# KiCad board ayab-esp32.kicad_pcb
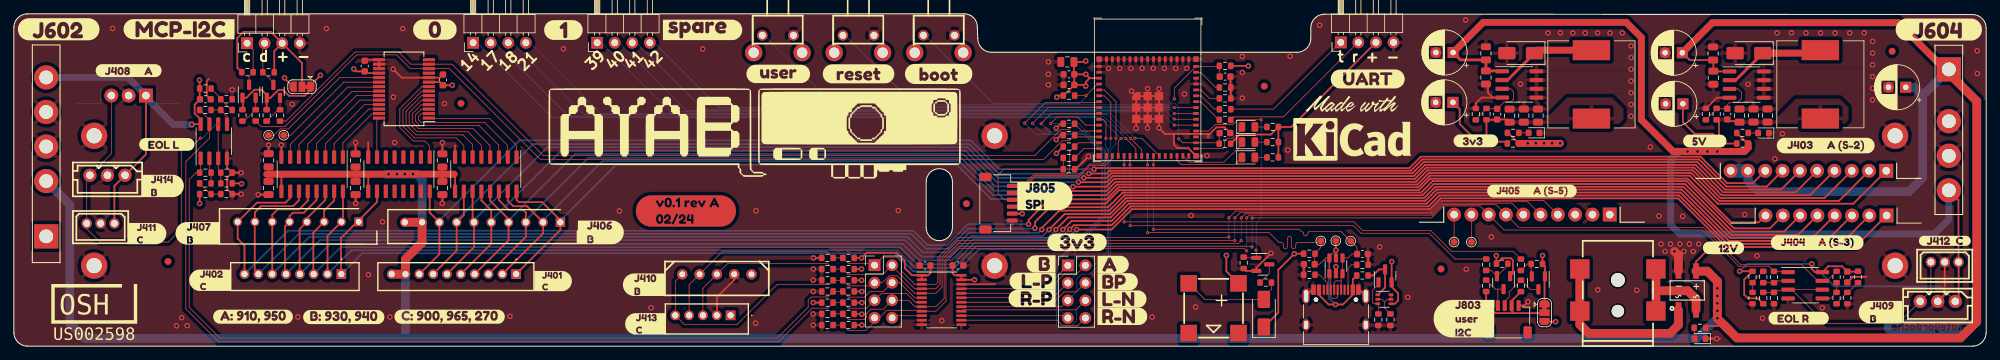
[diagram p0: board, top side]
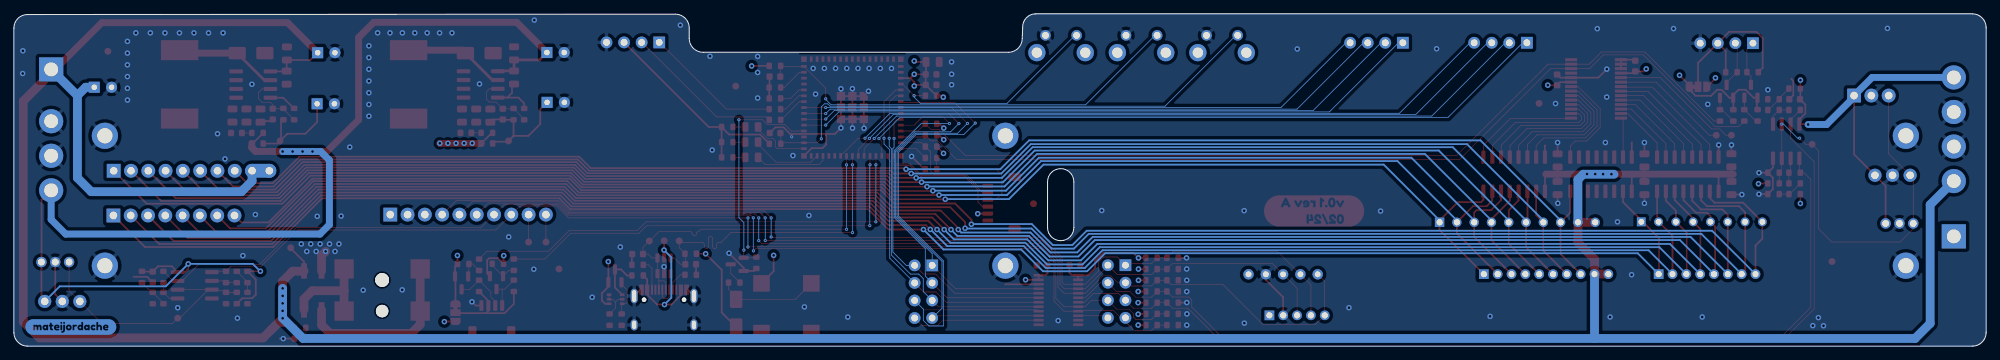
[diagram p1: board, bottom side, seen from below]

Outline 285.12 x 48.1 mm; copper layers: Top, In1.Cu, In2.Cu, Bottom. Coordinates in mm from the lower left corner of the outline.
Outline path: 0,46.1 0,2 arc(0.59,0.59) 2,0 283.13,0 arc(284.54,0.58) 285.12,2 285.12,46.03 arc(284.54,47.42) 283.15,48 189.49,48.05 arc(188.07,47.47) 187.49,46.05 187.49,44.53 arc(186.9,43.12) 185.49,42.53 141.35,42.53 arc(139.93,43.12) 139.35,44.53 139.28,46.15 arc(138.74,47.54) 137.37,48.1 2,48.1 arc(0.59,47.52) 0,46.1 ; 131.89,23.79 131.89,17.17 arc(133.79,15.27) 135.69,17.17 135.69,23.79 arc(133.79,25.69) 131.89,23.79
Stack: Top 0.035mm / dielectric 0.2104mm 7628*1 er 4.6 / In1.Cu 0.0152mm / dielectric 1.065mm FR4 er 4.5 / In2.Cu 0.0152mm / dielectric 0.2104mm 7628*1 er 4.6 / Bottom 0.035mm

## Placement (name value [footprint] x y rotation side)
BUZZER201  MLT-8530  [BUZ-SMD_4P-L8.5-W8.5-P8.50-BR]  173.44 5.49 180 top
C201  100n  [C_0603_1608Metric]  175.08 30.84 0 top
C202  100n  [C_0603_1608Metric]  175.1 39.01 0 top
C203  100n  [C_0603_1608Metric]  152.53 37.81 180 top
C204  100n  [C_0603_1608Metric]  152.53 39.34 180 top
C205  10u  [C_0805_2012Metric]  152.3 41.14 180 top
C301  100n  [C_0603_1608Metric]  50.73 40.54 90 top
C302  10u  [C_0805_2012Metric]  49.4 22.89 270 top
C303  10u  [C_0805_2012Metric]  61.95 22.89 270 top
C304  10u  [C_0805_2012Metric]  36.83 22.89 270 top
C305  100n  [C_0603_1608Metric]  62.03 38.54 90 top
C501  47p  [C_0603_1608Metric]  187.28 11.85 180 top
C502  47p  [C_0603_1608Metric]  194.95 13.33 0 top
C601  10u  [C_0805_2012Metric]  245.65 42.36 90 top
C602  10u  [C_0805_2012Metric]  212.81 42.38 90 top
C603  10u  [C_0805_2012Metric]  36.83 26.9 90 top
C604  10u  [C_0805_2012Metric]  49.4 26.89 90 top
C605  10u  [C_0805_2012Metric]  61.95 26.89 90 top
C606  220u  [CP_Radial_D6.3mm_P2.50mm]  241.2 42.47 180 top
C607  220u  [CP_Radial_D6.3mm_P2.50mm]  273.5 37.47 180 top
C609  220u  [CP_Radial_D6.3mm_P2.50mm]  208.07 42.5 180 top
C610  10u  [C_0805_2012Metric]  245.68 38.86 270 top
C611  10u  [C_0805_2012Metric]  212.81 38.89 270 top
C612  220u  [CP_Radial_D6.3mm_P2.50mm]  241.28 35.08 180 top
C613  220u  [CP_Radial_D6.3mm_P2.50mm]  208.04 35.28 180 top
C614  3n3  [C_0603_1608Metric]  247.7 33.59 270 top
C615  3n3  [C_0603_1608Metric]  214.44 33.58 270 top
C616  10u  [C_0805_2012Metric]  253.52 33.38 90 top
C617  10u  [C_0805_2012Metric]  220.34 33.37 90 top
C618  10u  [C_0805_2012Metric]  251.5 33.38 90 top
C619  10u  [C_0805_2012Metric]  218.29 33.37 90 top
C620  10u  [C_0805_2012Metric]  249.47 33.37 90 top
C621  10u  [C_0805_2012Metric]  216.24 33.36 90 top
C701  100n  [C_0603_1608Metric]  136.48 11.68 0 top
C702  100n  [C_0603_1608Metric]  131.74 11.67 180 top
C703  100n  [C_0603_1608Metric]  27.69 35.74 180 top
C704  100n  [C_0603_1608Metric]  265.05 10.01 90 top
D201  LED_YEL  [D_0805_2012Metric]  178.47 31.72 0 top
D202  LED_GRN  [D_0805_2012Metric]  178.47 29.53 0 top
D203  LED_RED  [D_0805_2012Metric]  178.47 27.32 0 top
D204  SS54  [D_SMA]  180.71 4.78 90 top
D601  KMB14F  [MBF-SMD_L4.8-W3.8-P2.54-LS6.8-TL]  241.91 8.06 90 top
D602  12VOK  [D_0603_1608Metric]  243.76 1.09 180 top
D603  5VOK  [D_0603_1608Metric]  252.94 30.85 180 top
D604  3V3OK  [D_0603_1608Metric]  219.77 30.87 180 top
D605  SS54  [D_SMA]  250.83 42.41 180 top
D606  SS54  [D_SMA]  217.84 42.41 180 top
FID101  Fiducial  [Fiducial_1mm_Mask2mm]  22.29 12.25 0 top
FID102  Fiducial  [Fiducial_1mm_Mask2mm]  180.77 37.63 0 top
FID103  Fiducial  [Fiducial_1mm_Mask2mm]  271.53 42.67 0 top
FID104  Fiducial  [Fiducial_1mm_Mask2mm]  64.64 35.13 0 top
FID105  Fiducial  [Fiducial_1mm_Mask2mm]  137.72 20.62 0 top
FID106  Fiducial  [Fiducial_1mm_Mask2mm]  206.32 11.17 0 top
G***  LOGO  [ayab-oshw]  11.63 5.29 0 top
G***#2  -  [LOGO]  107.1 30.92 0 top
H101  M3  [MountingHole_2.2mm_M2_DIN965_Pad]  11.61 11.66 0 top
H102  M3  [MountingHole_2.2mm_M2_DIN965_Pad]  141.78 30.45 0 top
H103  M3  [MountingHole_2.2mm_M2_DIN965_Pad]  141.78 11.66 0 top
H104  M3  [MountingHole_2.2mm_M2_DIN965_Pad]  271.96 30.45 0 top
H106  M3  [MountingHole_2.2mm_M2_DIN965_Pad]  271.96 11.66 0 top
H108  M3  [MountingHole_2.2mm_M2_DIN965_Pad]  11.61 30.45 0 top
J201  SPARE1  [PinHeader_1x04_P2.54mm_Horizontal]  84.33 43.91 90 top
J202  SPARE0  [PinHeader_1x04_P2.54mm_Horizontal]  66.4 43.91 90 top
J401  900.965.CK35 SOLENOIDS A  [530141010]  72.62 10.43 0 top
J402  900.965.CK35 SOLENOIDS B  [530140810]  47.35 10.43 0 top
J403  910.950 SOLENOIDS A  [HNC2-2.5P-10DS]  260.69 25.38 180 top
J404  910.950 SOLENOIDS B  [HNC2-2.5P-8DS]  261.98 18.91 180 top
J405  910.950 ENCODERS EOL R  [HNC2-2.5P-10DS]  220.71 19.04 180 top
J406  930.940 SOLENOIDS A  [SHDR10W70P0X250_1X10_2740X490X590P]  56.52 17.93 0 top
J407  930.940 SOLENOIDS B  [SHDR8W65P0X250_1X8_2240X490X610P]  49.86 17.99 0 top
J408  910.950 EOL L  [HNC2-2.5P-3DS]  16.6 36.27 180 top
J409  930.940 EOL R  [CONN-TH_3P-P2.50_X2564WV-03-N0SN]  278.12 6.48 0 top
J410  930.940 ENCODERS  [CONN-TH_X2564WV-05-N0SN]  101.64 10.4 0 top
J411  900.965 EOL L  [CONN-TH_3P-P2.00_A2004WV-3P]  12.54 17.76 0 top
J412  900.965 EOL R  [CONN-TH_3P-P2.00_A2004WV-3P]  279.13 12.18 0 top
J413  900.965 ENCODERS  [530140510]  103.62 4.46 0 top
J414  930.940 EOL L  [CONN-TH_3P-P2.50_X2564WV-03-N0SN]  13.54 24.74 0 top
J501  USB_C_Receptacle_USB2.0  [USB_C_Receptacle_HRO_TYPE-C-31-M-12]  191.13 4.13 0 top
J601  VIN  [DC-IN-TH_DC-005-5A-2.0-SMT]  231.88 8.13 90 top
J602  -  [Brother_5P]  2.68 43.59 270 top
J604  Brother_4R  [Brother_4P]  281.73 19.05 90 top
J701  CTRL_3v3  [PinHeader_2x04_P2.54mm_Vertical]  152.36 11.7 0 top
J702  CTRL_5V  [PinHeader_2x04_P2.54mm_Vertical]  124.43 11.72 0 top
J801  AYAB_UART  [PinHeader_1x04_P2.54mm_Horizontal]  191.83 43.96 90 top
J802  I2C_VBUS  [SolderJumper-3_P1.3mm_Bridged12_RoundedPad1.0x1.5mm]  221.28 4.85 270 top
J803  USER_I2C  [JST_SH_SM04B-SRSS-TB_1x04-1MP_P1.00mm_Horizontal]  216.03 3.88 0 top
J804  I2C_VBUS  [SolderJumper-3_P1.3mm_Bridged12_RoundedPad1.0x1.5mm]  41.66 37.55 180 top
J805  AYAB_SPI  [JST_SH_SM06B-SRSS-TB_1x06-1MP_P1.00mm_Horizontal]  142.33 20.69 270 top
J806  AYAB_I2C  [PinHeader_1x04_P2.54mm_Horizontal]  33.72 43.85 90 top
kibuzzard-64F68412  G***  [kibuzzard-64F68412]  153.7 15.03 0 top
kibuzzard-65A1AC88  G***  [kibuzzard-65A1AC88]  22.12 29.2 0 top
kibuzzard-65A1ADEE  G***  [kibuzzard-65A1ADEE]  258.02 4.05 0 top
kibuzzard-65A1DFCB  G***  [kibuzzard-65A1DFCB]  149.05 21.73 0 top
kibuzzard-65A2E0AA  G***  [kibuzzard-65A2E0AA]  122.12 39.41 0 top
kibuzzard-65A2E6F1  G***  [kibuzzard-65A2E6F1]  195.72 38.67 0 top
kibuzzard-65A2E096  G***  [kibuzzard-65A2E096]  110.51 39.4 0 top
kibuzzard-65A40139  G***  [kibuzzard-65A40139]  133.7 39.4 0 top
kibuzzard-65BC6282  G***  [kibuzzard-65BC6282]  278.28 45.82 0 top
kibuzzard-65BDBF94  G***  [kibuzzard-65BDBF94]  97.16 19.56 0 top
kibuzzard-65BFAF9E  G***  [kibuzzard-65BFAF9E]  23.89 45.87 0 top
kibuzzard-65BFB941  G***  [kibuzzard-65BFB941]  6.49 45.86 0 top
kibuzzard-65BFD8A4  G***  [kibuzzard-65BFD8A4]  26.54 16.33 0 top
kibuzzard-65BFD8C0  G***  [kibuzzard-65BFD8C0]  28.39 9.54 0 top
kibuzzard-65BFD8D6  G***  [kibuzzard-65BFD8D6]  91.26 3.23 0 top
kibuzzard-65BFD8DF  G***  [kibuzzard-65BFD8DF]  91.09 8.89 0 top
kibuzzard-65BFD8F7  G***  [kibuzzard-65BFD8F7]  77.96 9.42 0 top
kibuzzard-65BFD82E  G***  [kibuzzard-65BFD82E]  260.7 14.99 0 top
kibuzzard-65BFD84C  G***  [kibuzzard-65BFD84C]  219.46 22.45 0 top
kibuzzard-65BFD746  G***  [kibuzzard-65BFD746]  16.6 39.88 0 top
kibuzzard-65BFD822  G***  [kibuzzard-65BFD822]  279.15 15.24 0 top
kibuzzard-65BFD836  G***  [kibuzzard-65BFD836]  261.93 29.03 0 top
kibuzzard-65BFD865  G***  [kibuzzard-65BFD865]  269.85 4.92 0 top
kibuzzard-65BFD887  G***  [kibuzzard-65BFD887]  19.32 16.29 0 top
kibuzzard-65BFD893  G***  [kibuzzard-65BFD893]  21.57 23.19 0 top
kibuzzard-65BFD905  G***  [kibuzzard-65BFD905]  84.86 16.47 0 top
kibuzzard-65BFE03F  G***  [kibuzzard-65BFE03F]  34.58 4.26 0 top
kibuzzard-65BFE052  G***  [kibuzzard-65BFE052]  47.7 4.21 0 top
kibuzzard-65BFE062  G***  [kibuzzard-65BFE062]  63 4.26 0 top
kibuzzard-65C3D944  G***  [kibuzzard-65C3D944]  247.16 14.23 0 top
kibuzzard-65C3E68A  G***  [kibuzzard-65C3E68A]  276.88 2.78 180 bottom
kibuzzard-659A3543  G***  [kibuzzard-659A3543]  99.56 45.77 0 top
kibuzzard-659F41CB  G***  [kibuzzard-659F41CB]  209.63 3.98 0 top
kibuzzard-659F49E4  G***  [kibuzzard-659F49E4]  244.45 29.7 0 top
kibuzzard-659F49F4  G***  [kibuzzard-659F49F4]  211.35 29.72 0 top
kibuzzard-65834FF6  G***  [kibuzzard-65834FF6]  79.44 45.75 0 top
kibuzzard-658236A5  G***  [kibuzzard-658236A5]  148.5 11.9 0 top
kibuzzard-658236BF  G***  [kibuzzard-658236BF]  147.28 9.4 0 top
kibuzzard-658236C5  G***  [kibuzzard-658236C5]  147.2 6.9 0 top
kibuzzard-658236E5  G***  [kibuzzard-658236E5]  160.2 6.82 0 top
kibuzzard-658236F2  G***  [kibuzzard-658236F2]  159.58 9.32 0 top
kibuzzard-658236FD  G***  [kibuzzard-658236FD]  158.93 11.82 0 top
kibuzzard-6583500B  G***  [kibuzzard-6583500B]  60.87 45.82 0 top
kibuzzard-65823743  G***  [kibuzzard-65823743]  160.25 4.32 0 top
L601  47uH  [L_12x12mm_H8mm]  261.16 37.89 270 top
L602  47uH  [L_12x12mm_H8mm]  228.06 37.89 270 top
Q201  AO3400A  [SOT-23]  180.55 11.84 0 top
Q501  BCM857BV  [SOT-363_SC-70-6]  198.13 6.79 0 top
Q502  LP9435LT1G  [SOT-23]  198.23 10.18 90 top
Q801  AO3400A  [SOT-23]  215.35 9.2 270 top
Q802  AO3400A  [SOT-23]  220.39 9.17 270 top
Q803  AO3400A  [SOT-23]  34.01 36.89 90 top
Q804  AO3400A  [SOT-23]  37.53 36.88 90 top
R101  5k1  [R_0603_1608Metric]  187.28 10.33 180 top
R102  5k1  [R_0603_1608Metric]  194.95 11.78 0 top
R201  10k  [R_0603_1608Metric]  175.08 29.29 180 top
R202  5k1  [R_0603_1608Metric]  181.98 31.72 180 top
R203  5k1  [R_0603_1608Metric]  181.98 29.54 180 top
R204  5k1  [R_0603_1608Metric]  181.98 27.32 180 top
R205  10k  [R_0603_1608Metric]  175.1 40.56 180 top
R206  10k  [R_0603_1608Metric]  152.53 36.26 0 top
R207  10k  [R_0603_1608Metric]  175.1 37.44 0 top
R208  10k  [R_0603_1608Metric]  175.1 35.86 0 top
R209  5k1  [R_0603_1608Metric]  152.53 30.54 0 top
R210  5k1  [R_0603_1608Metric]  152.53 32.19 0 top
R211  10k  [R_0603_1608Metric]  177.79 12.06 270 top
R212  0R  [R_0603_1608Metric]  180.98 9.2 180 top
R501  1k5  [R_0603_1608Metric]  187.28 13.38 0 top
R502  100k  [R_0603_1608Metric]  199 3.84 270 top
R503  68k  [R_0603_1608Metric]  197.25 3.84 270 top
R504  0R  [R_0603_1608Metric]  194.95 10.23 0 top
R603  10k  [R_0603_1608Metric]  243.74 2.66 180 top
R604  5k1  [R_0603_1608Metric]  249.9 30.86 0 top
R605  3k3  [R_0603_1608Metric]  216.74 30.87 0 top
R606  1k  [R_0603_1608Metric]  244.61 33.59 90 top
R607  1k  [R_0603_1608Metric]  211.35 33.58 90 top
R608  3k3  [R_0603_1608Metric]  246.16 33.59 270 top
R609  1k8  [R_0603_1608Metric]  212.89 33.58 270 top
R610  0R  [R_0603_1608Metric]  216.73 29.34 0 top
R611  0R  [R_0603_1608Metric]  249.9 29.32 0 top
R701  10k  [R_0603_1608Metric]  117.61 12.78 180 top
R702  10k  [R_0603_1608Metric]  120.66 12.78 180 top
R703  10k  [R_0603_1608Metric]  117.61 11.16 180 top
R704  10k  [R_0603_1608Metric]  120.66 11.16 180 top
R705  10k  [R_0603_1608Metric]  117.61 9.54 180 top
R706  10k  [R_0603_1608Metric]  120.66 9.54 180 top
R707  10k  [R_0603_1608Metric]  117.61 7.92 180 top
R708  10k  [R_0603_1608Metric]  120.66 7.92 180 top
R709  10k  [R_0603_1608Metric]  117.61 6.3 180 top
R710  10k  [R_0603_1608Metric]  120.66 6.3 180 top
R711  10k  [R_0603_1608Metric]  117.61 4.68 180 top
R712  10k  [R_0603_1608Metric]  120.66 4.68 180 top
R713  10k  [R_0603_1608Metric]  117.61 3.05 180 top
R714  10k  [R_0603_1608Metric]  120.66 3.05 180 top
R715  100k  [R_0603_1608Metric]  27.69 25.11 0 top
R716  100k  [R_0603_1608Metric]  27.69 34.19 180 top
R717  100k  [R_0603_1608Metric]  254.45 10.01 270 top
R718  100k  [R_0603_1608Metric]  263.5 10.01 90 top
R719  10k  [R_0603_1608Metric]  27.69 23.56 180 top
R720  10k  [R_0603_1608Metric]  30.74 34.19 180 top
R721  10k  [R_0603_1608Metric]  252.9 10.01 90 top
R722  10k  [R_0603_1608Metric]  263.5 6.96 90 top
R723  4k7  [R_0603_1608Metric]  27.69 37.29 0 top
R724  1k  [R_0603_1608Metric]  30.74 35.74 0 top
R725  4k7  [R_0603_1608Metric]  266.6 10.01 270 top
R726  1k  [R_0603_1608Metric]  265.05 6.96 270 top
R727  3k3  [R_0603_1608Metric]  27.69 22.01 0 top
R728  4k7  [R_0603_1608Metric]  30.74 22.01 0 top
R729  3k3  [R_0603_1608Metric]  251.35 10.01 270 top
R730  4k7  [R_0603_1608Metric]  251.35 6.96 270 top
R731  22k  [R_0603_1608Metric]  30.74 25.11 0 top
R732  22k  [R_0603_1608Metric]  254.45 6.96 270 top
R733  47k  [R_0603_1608Metric]  30.74 23.56 180 top
R734  47k  [R_0603_1608Metric]  252.9 6.96 90 top
R801  47R  [R_0603_1608Metric]  212.84 11.79 270 top
R802  47R  [R_0603_1608Metric]  217.87 11.78 270 top
R803  5k1  [R_0603_1608Metric]  220.17 11.9 180 top
R804  5k1  [R_0603_1608Metric]  215.15 11.93 0 top
R807  5k1  [R_0603_1608Metric]  212.84 8.74 90 top
R808  5k1  [R_0603_1608Metric]  217.87 8.73 90 top
R809  47R  [R_0603_1608Metric]  34.97 33.41 90 top
R810  47R  [R_0603_1608Metric]  38.49 33.4 90 top
R811  5k1  [R_0603_1608Metric]  36.55 33.4 270 top
R812  5k1  [R_0603_1608Metric]  33.05 33.41 270 top
R813  47R  [R_0603_1608Metric]  152.53 27.24 180 top
R814  10k  [R_0603_1608Metric]  152.53 28.89 0 top
R815  10k  [R_0603_1608Metric]  152.53 25.61 0 top
R816  5k1  [R_0603_1608Metric]  33.77 39.66 0 top
R817  5k1  [R_0603_1608Metric]  36.82 39.65 180 top
R818  47R  [R_0603_1608Metric]  175.1 34.3 0 top
R819  47R  [R_0603_1608Metric]  175.09 32.75 180 top
SW201  USER  [KEY-TH_4P-L7.5-W11.5-P4.5]  110.46 43.73 0 top
SW202  RESET  [KEY-TH_4P-L7.5-W11.5-P4.5]  122.1 43.73 0 top
SW203  BOOTSEL  [KEY-TH_4P-L7.5-W11.5-P4.5]  133.74 43.73 0 top
TP301  MCP_INTA  [TestPoint_Pad_D1.0mm]  39.02 30.53 270 top
TP302  MCP_INTB  [TestPoint_Pad_D1.0mm]  36.83 30.52 0 top
TP401  9  [TestPoint_Pad_D1.0mm]  210.71 15.06 0 top
TP402  10  [TestPoint_Pad_D1.0mm]  208.2 15.07 0 top
TP501  USB_BUSV  [TestPoint_Pad_D1.0mm]  191.11 15.25 0 top
TP502  USBM  [TestPoint_Pad_D1.0mm]  188.94 15.23 0 top
TP503  USBP  [TestPoint_Pad_D1.0mm]  193.26 15.22 0 top
TP601  12V  [TestPoint_Pad_D1.0mm]  245.1 14.23 270 top
TP602  5V  [TestPoint_Pad_D1.0mm]  246.64 29.7 0 top
TP603  3V3  [TestPoint_Pad_D1.0mm]  213.61 29.7 0 top
TP701  CMP-L  [TestPoint_Pad_D1.0mm]  25.17 29.21 0 top
TP702  CMP-R  [TestPoint_Pad_D1.0mm]  261.44 4.05 0 top
U201  -  [ESP32-S3-MINI-1]  163.9 34.54 0 top
U301  MCP23017_SS  [SSOP-28_5.3x10.2mm_P0.65mm]  56.4 37.24 180 top
U302  ULN2003A  [SOIC-16_3.9x9.9mm_P1.27mm]  68.23 24.89 270 top
U303  ULN2003A  [SOIC-16_3.9x9.9mm_P1.27mm]  55.68 24.89 270 top
U304  ULN2003A  [SOIC-16_3.9x9.9mm_P1.27mm]  43.13 24.89 270 top
U501  SRV05-4  [SOT-23-6]  191.13 11.63 90 top
U601  XL1509  [SOIC-8_3.9x4.9mm_P1.27mm]  250.51 37.86 0 top
U602  XL1509  [SOIC-8_3.9x4.9mm_P1.27mm]  217.64 37.88 0 top
U701  SN74LVC4245  [TSSOP-24_4.4x7.8mm_P0.65mm]  134.12 6.68 0 top
U702  LM393  [SOIC-8_3.9x4.9mm_P1.27mm]  28.91 29.66 90 top
U703  LM393  [SOIC-8_3.9x4.9mm_P1.27mm]  258.97 8.81 0 top

## Library data of the parts
BUZZER201 = -: LCSC ID: C94599; OEM: Jiangsu Huaneng Elec
C201-C204 C301 C305 C701-C704 = -: Description: Unpolarized capacitor, small symbol; LCSC ID: C57112; OEM: FH (Guangdong Fenghua Advanced Tech); OEM PN: 0603B103K500NT; Package: 0603; Voltage rating: 24V X7R
C205 C302-C304 C601-C605 C610 C611 C616-C621 = -: Description: Unpolarized capacitor, small symbol; LCSC ID: C15850; OEM: Samsung Electro-Mechanics; OEM PN: CL21A106KAYNNNE; Package: 0805; Voltage rating: 24V X5R
C501 C502 = -: Description: Unpolarized capacitor, small symbol; LCSC ID: C1671; OEM: Samsung Electro-Mechanics; OEM PN: CL10C470JB8NNNC; Package: 0603; Voltage rating: 50V C0G
C606 C607 C609 C612 C613 = -: Description: Polarized capacitor, small US symbol; LCSC ID: C44587; OEM: CX(Dongguan Chengxing Elec); OEM PN: KS107M025E07RR0VH2FP0; Package: 0603; Voltage rating: 25V Aluminum Electrolytic
C614 C615 = -: Description: Unpolarized capacitor, small symbol; LCSC ID: C1613; OEM: Samsung Electro-Mechanics; OEM PN: CL10B332KB8NNNC; Package: 0603; Voltage rating: 50V X7R
D201 = -: Description: Light emitting diode; LCSC ID: C2296; OEM: Hubei KENTO Elec; OEM PN: C2296; Package: 0805
D202 = -: Description: Light emitting diode; LCSC ID: C2297; OEM: Hubei KENTO Elec; OEM PN: C2297; Package: 0805
D203 = -: Description: Light emitting diode; LCSC ID: C84256; OEM: Foshan NationStar Optoelectronics; OEM PN: NCD0805R1; Package: 0805
D204 = -: Description: Diode; LCSC ID: C2290; OEM: Hubei KENTO Elec; Package: SMA; Sim.Device: D; Sim.Pins: 1=K 2=A
D601 = -: Description: Diode bridge, +ve/-ve/AC/AC; LCSC ID: C880909; OEM: FUXINSEMI
D602-D604 = -: Description: Light emitting diode; LCSC ID: C2290; OEM: Hubei KENTO Elec; OEM PN: C2290; Package: 0603
D605 D606 = -: Description: Schottky diode; LCSC ID: C2290; OEM: Hubei KENTO Elec; Package: SMA
FID101-FID106 = -: Description: Fiducial Marker
H101-H104 H106 H108 = -: Description: Mounting Hole with connection
J201 J202 J801 J806 = -: Description: Generic connector, single row, 01x04, script generated (kicad-library-utils/schlib/autogen/connector/); LCSC ID: C7501292; OEM: Megastar; OEM PN: ZX-PZ2.54-1-4PWZ
J401 = -: Description: Generic connector, single row, 01x10, script generated (kicad-library-utils/schlib/autogen/connector/); LCSC ID: C2834606; OEM: CNJM; OEM PN: CNJMA2004WV-10P
J402 = -: Description: Generic connector, single row, 01x08, script generated (kicad-library-utils/schlib/autogen/connector/); LCSC ID: C225246; OEM: CJT(Changjiang Connectors); OEM PN: A2004WV-8P
J403 J405 = -: Description: Generic connector, single row, 01x10, script generated (kicad-library-utils/schlib/autogen/connector/); OEM: Hirose; OEM PN: HNC2-2.5P-10DS(02)
J404 = -: Description: Generic connector, single row, 01x08, script generated (kicad-library-utils/schlib/autogen/connector/); OEM: Hirose; OEM PN: HNC2-2.5P-8DS(02)
J406 = -: Description: Generic connector, single row, 01x10, script generated (kicad-library-utils/schlib/autogen/connector/); OEM: HR(Joint Tech Elec); OEM PN: A2506WV-10P
J407 = -: Description: Generic connector, single row, 01x08, script generated (kicad-library-utils/schlib/autogen/connector/); LCSC ID: C476906; OEM: HR(Joint Tech Elec); OEM PN: A2506WV-08P
J408 = -: Description: Generic connector, single row, 01x03, script generated (kicad-library-utils/schlib/autogen/connector/); OEM: Hirose; OEM PN: HNC2-2.5P-3DS(02)
J409 J414 = -: Description: Generic connector, single row, 01x03, script generated (kicad-library-utils/schlib/autogen/connector/); LCSC ID: C397419; OEM: XKB Connectivity; OEM PN: X2564WV-03-N0SN
J410 = -: Description: Generic connector, single row, 01x05, script generated (kicad-library-utils/schlib/autogen/connector/); LCSC ID: C707030; OEM: XKB Connectivity; OEM PN: X2564WV-05-N0SN
J411 J412 = -: Description: Generic connector, single row, 01x03, script generated (kicad-library-utils/schlib/autogen/connector/); LCSC ID: C225241; OEM: CJT(Changjiang Connectors); OEM PN: A2004WV-3P
J413 = -: Description: Generic connector, single row, 01x05, script generated (kicad-library-utils/schlib/autogen/connector/); LCSC ID: C225243; OEM: CJT(Changjiang Connectors); OEM PN: A2004WV-5P
J501 = -: Description: USB 2.0-only Type-C Receptacle connector; LCSC ID: C165948; OEM: Hroparts; OEM PN: TYPE-C-31-M-12
J601 = -: Description: DC Barrel Jack with an internal switch; LCSC ID: C2880543; OEM: XKB Connectivity; OEM PN: DC-005-2.5A-2.0-SMT
J602 = -: Description: Generic connector, single row, 01x05, script generated (kicad-library-utils/schlib/autogen/connector/)
J604 = -: Description: Generic connector, single row, 01x04, script generated (kicad-library-utils/schlib/autogen/connector/)
J701 J702 = -: Description: Generic connector, single row, 01x08, script generated (kicad-library-utils/schlib/autogen/connector/); LCSC ID: C225519; OEM: CJT(Changjiang Connectors); OEM PN: A2541WV-2x4P
J802 J804 = -: Description: Generic connector, single row, 01x03, script generated (kicad-library-utils/schlib/autogen/connector/)
J803 = -: Description: Generic connector, single row, 01x04, script generated (kicad-library-utils/schlib/autogen/connector/); LCSC ID: C3029334; OEM: XUNPU; OEM PN: WAFER-SH1.0-4PLB
J805 = -: Description: Generic connector, single row, 01x06, script generated (kicad-library-utils/schlib/autogen/connector/); LCSC ID: C3029345; OEM: XUNPU; OEM PN: WAFER-SH1.0-6PWB
L601 L602 = -: Description: Inductor; LCSC ID: C9906; OEM: SXN(Shun Xiang Nuo Elec); OEM PN: SMDRI127-470MT; Package: 12x12x8
Q201 Q801-Q804 = -: Description: 30V Vds, 5.7A Id, N-Channel MOSFET, SOT-23; LCSC ID: C20917; OEM: Alpha & Omega Semicon; Package: SOT-23
Q501 = -: Description: Dual PNP transistor, 6 pin package; LCSC ID: C105887; OEM: Nexperia; OEM PN: BCM857BS,115; Package: SOT-363
Q502 = -: Description: -4.0A Id, -30V Vds, P-Channel MOSFET, SOT-23; LCSC ID: C383257; OEM: LRC; Package: SOT-23; Voltage rating: 30V
R101 R102 R202-R204 R209 R210 R604 R803 R804 R807 R808 R811 R812 R816 R817 = -: Description: Resistor, small US symbol; LCSC ID: C23186; OEM: UNI-ROYAL(Uniroyal Elec); OEM PN: 0603WAF5101T5E; Package: 0603
R201 R205-R208 R211 R603 R701-R714 R719-R722 R814 R815 = -: Description: Resistor, small US symbol; LCSC ID: C25804; OEM: UNI-ROYAL(Uniroyal Elec); OEM PN: 0603WAF1002T5E; Package: 0603
R212 R504 R610 R611 = -: Description: Resistor, small US symbol; LCSC ID: C21189; OEM: UNI-ROYAL(Uniroyal Elec); OEM PN: 0603WAF0000T5E; Package: 0603
R501 = -: Description: Resistor, small US symbol; LCSC ID: C22843; OEM: UNI-ROYAL(Uniroyal Elec); OEM PN: 0603WAF1501T5E; Package: 0603
R502 R715-R718 = -: Description: Resistor, small US symbol; LCSC ID: C25803; OEM: UNI-ROYAL(Uniroyal Elec); OEM PN: 0603WAF1003T5E; Package: 0603
R503 = -: Description: Resistor, small US symbol; LCSC ID: C23231; OEM: UNI-ROYAL(Uniroyal Elec); OEM PN: 0603WAF6802T5E; Package: 0603
R605 R608 R727 R729 = -: Description: Resistor, small US symbol; LCSC ID: C22978; OEM: UNI-ROYAL(Uniroyal Elec); OEM PN: 0603WAF3301T5E; Package: 0603
R606 R607 R724 R726 = -: Description: Resistor, small US symbol; LCSC ID: C21190; OEM: UNI-ROYAL(Uniroyal Elec); OEM PN: 0603WAF1001T5E; Package: 0603
R609 = -: Description: Resistor, small US symbol; LCSC ID: C4177; OEM: UNI-ROYAL(Uniroyal Elec); OEM PN: 0603WAF1801T5E; Package: 0603
R723 R725 R728 R730 = -: Description: Resistor, small US symbol; LCSC ID: C23162; OEM: UNI-ROYAL(Uniroyal Elec); OEM PN: 0603WAF4701T5E; Package: 0603
R731 R732 = -: Description: Resistor, small US symbol; LCSC ID: C31850; OEM: UNI-ROYAL(Uniroyal Elec); OEM PN: 0603WAF2202T5E; Package: 0603
R733 R734 = -: Description: Resistor, small US symbol; LCSC ID: C25819; OEM: UNI-ROYAL(Uniroyal Elec); OEM PN: 0603WAF4702T5E; Package: 0603
R801 R802 R809 R810 R813 R818 R819 = -: Description: Resistor, small US symbol; LCSC ID: C23182; OEM: UNI-ROYAL(Uniroyal Elec); OEM PN: 0603WAF470JT5E; Package: 0603
SW201-SW203 = -: Description: Push button switch, normally open, two pins, 45° tilted; LCSC ID: C2689823; OEM: Yuandi; OEM PN: TS-1093C-A145B3-D1; Package: TS-1187ABAB
TP301 TP302 TP401 TP402 TP501-TP503 TP601-TP603 TP701 TP702 = -: Description: test point
U201 = -: Description: Smallsized module supporting 2.4 GHz WiFi (802.11 b/g/n) and Bluetooth ® 5 (LE) Built around ESP32S3 series of SoCs, Xtensa ® dualcore 32bit LX7 microprocessor Flash up to 8 MB, optional 2 MB PSRAM in chip package 39 GPIOs, rich set of peripherals Onboard PCB antenna or external antenna connector; LCSC ID: C3013941; OEM: Espressif Systems; OEM PN: ESP32-S3-MINI-1-N4R2; Package: SMD